# Altium PCB BRD_XC95144XL.PcbDoc (part 1 of 2)
Units mm, origin at the board's own origin, x right, y up, seen from the top; angles counter-clockwise.
Board outline 148 x 69 mm, 2 copper layers (Top Layer, Bottom Layer); 248 components, 199 nets, 775 pads, 46 vias.
Unrouted connection lines stored in the file: 221.
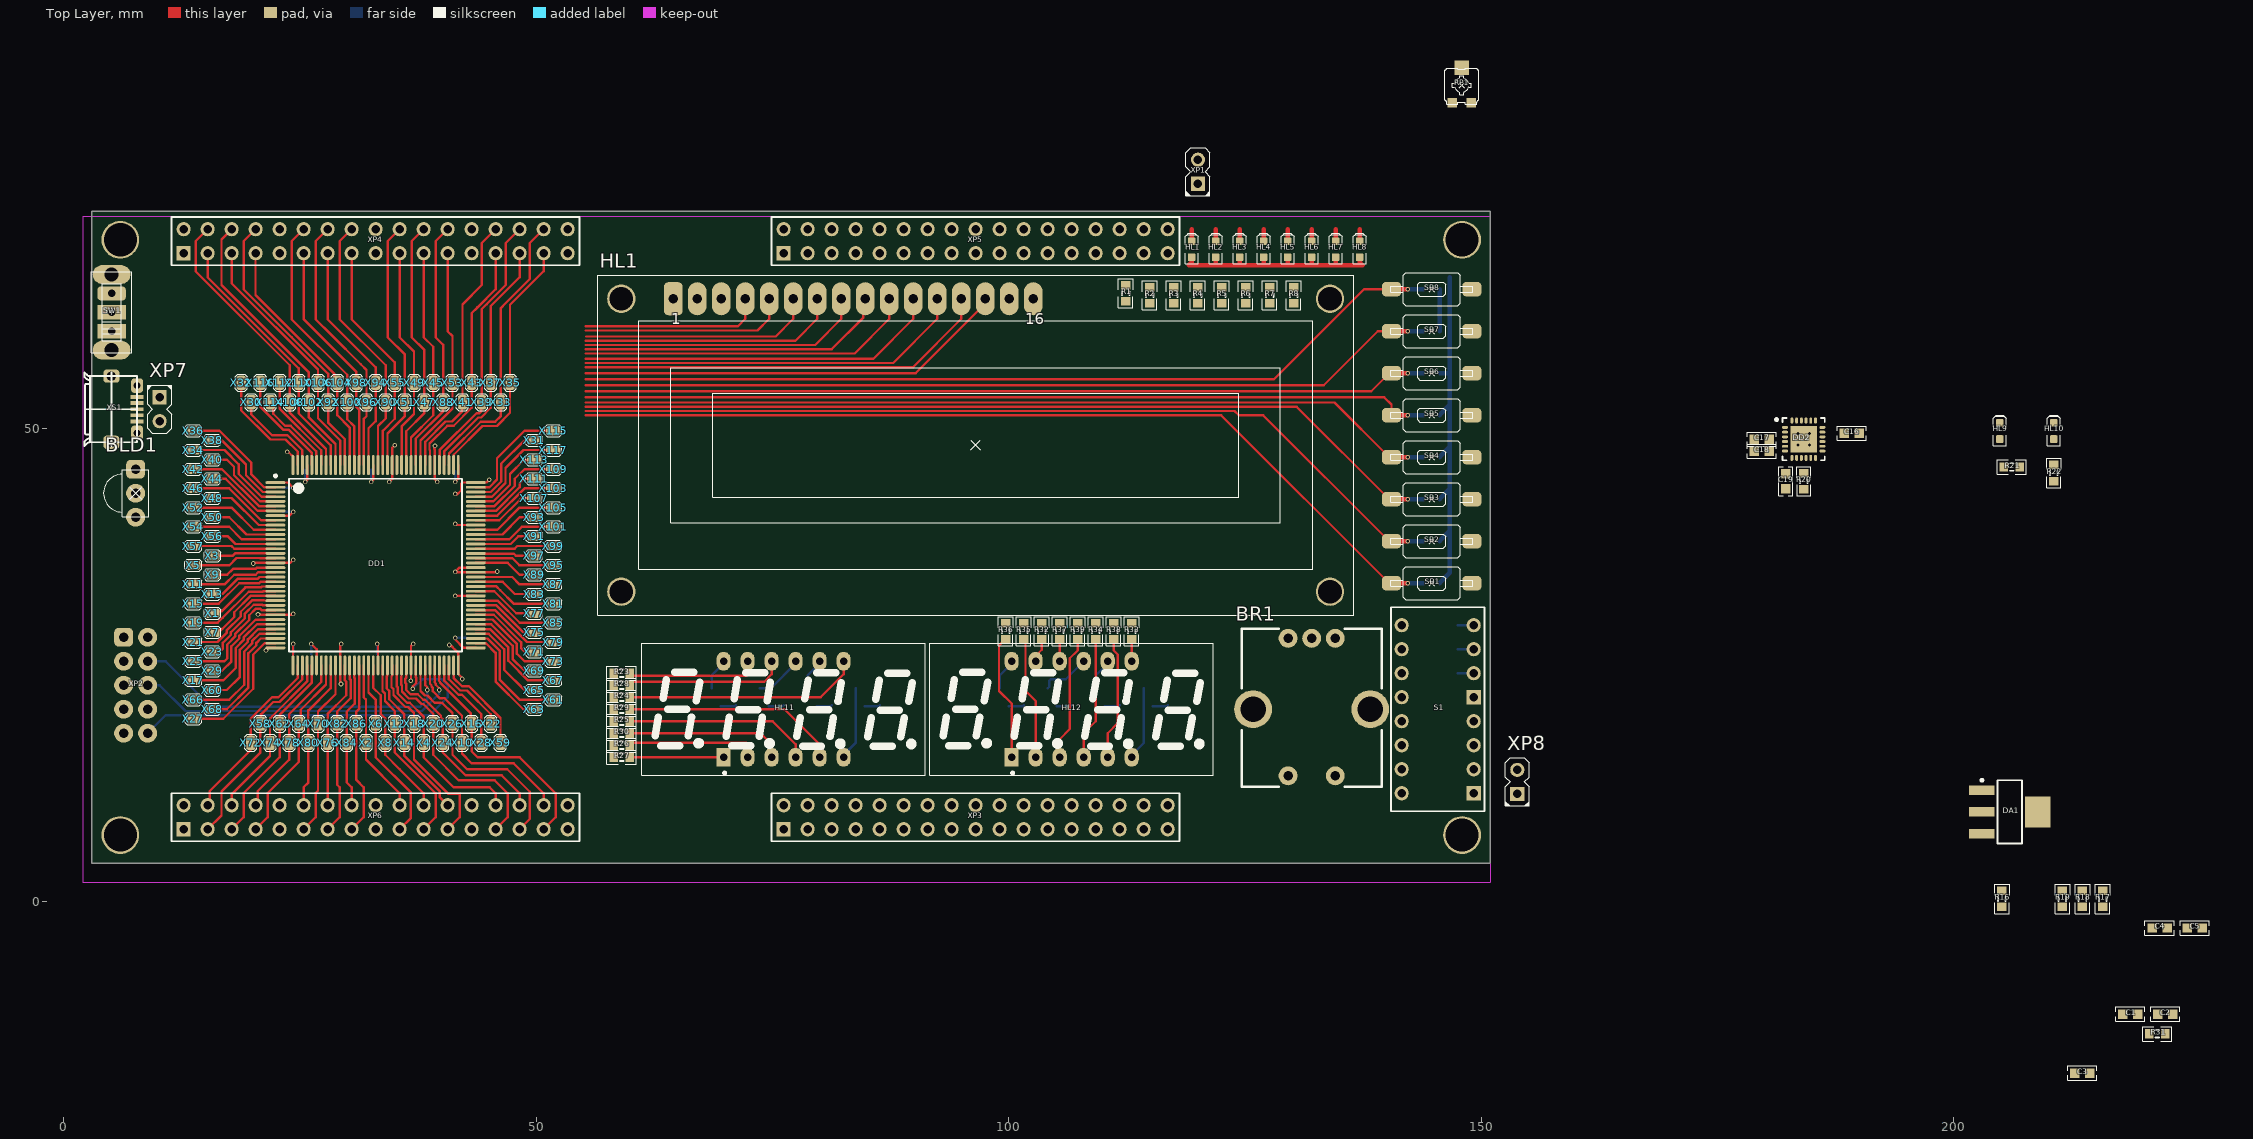
[diagram p0: Top Layer view]
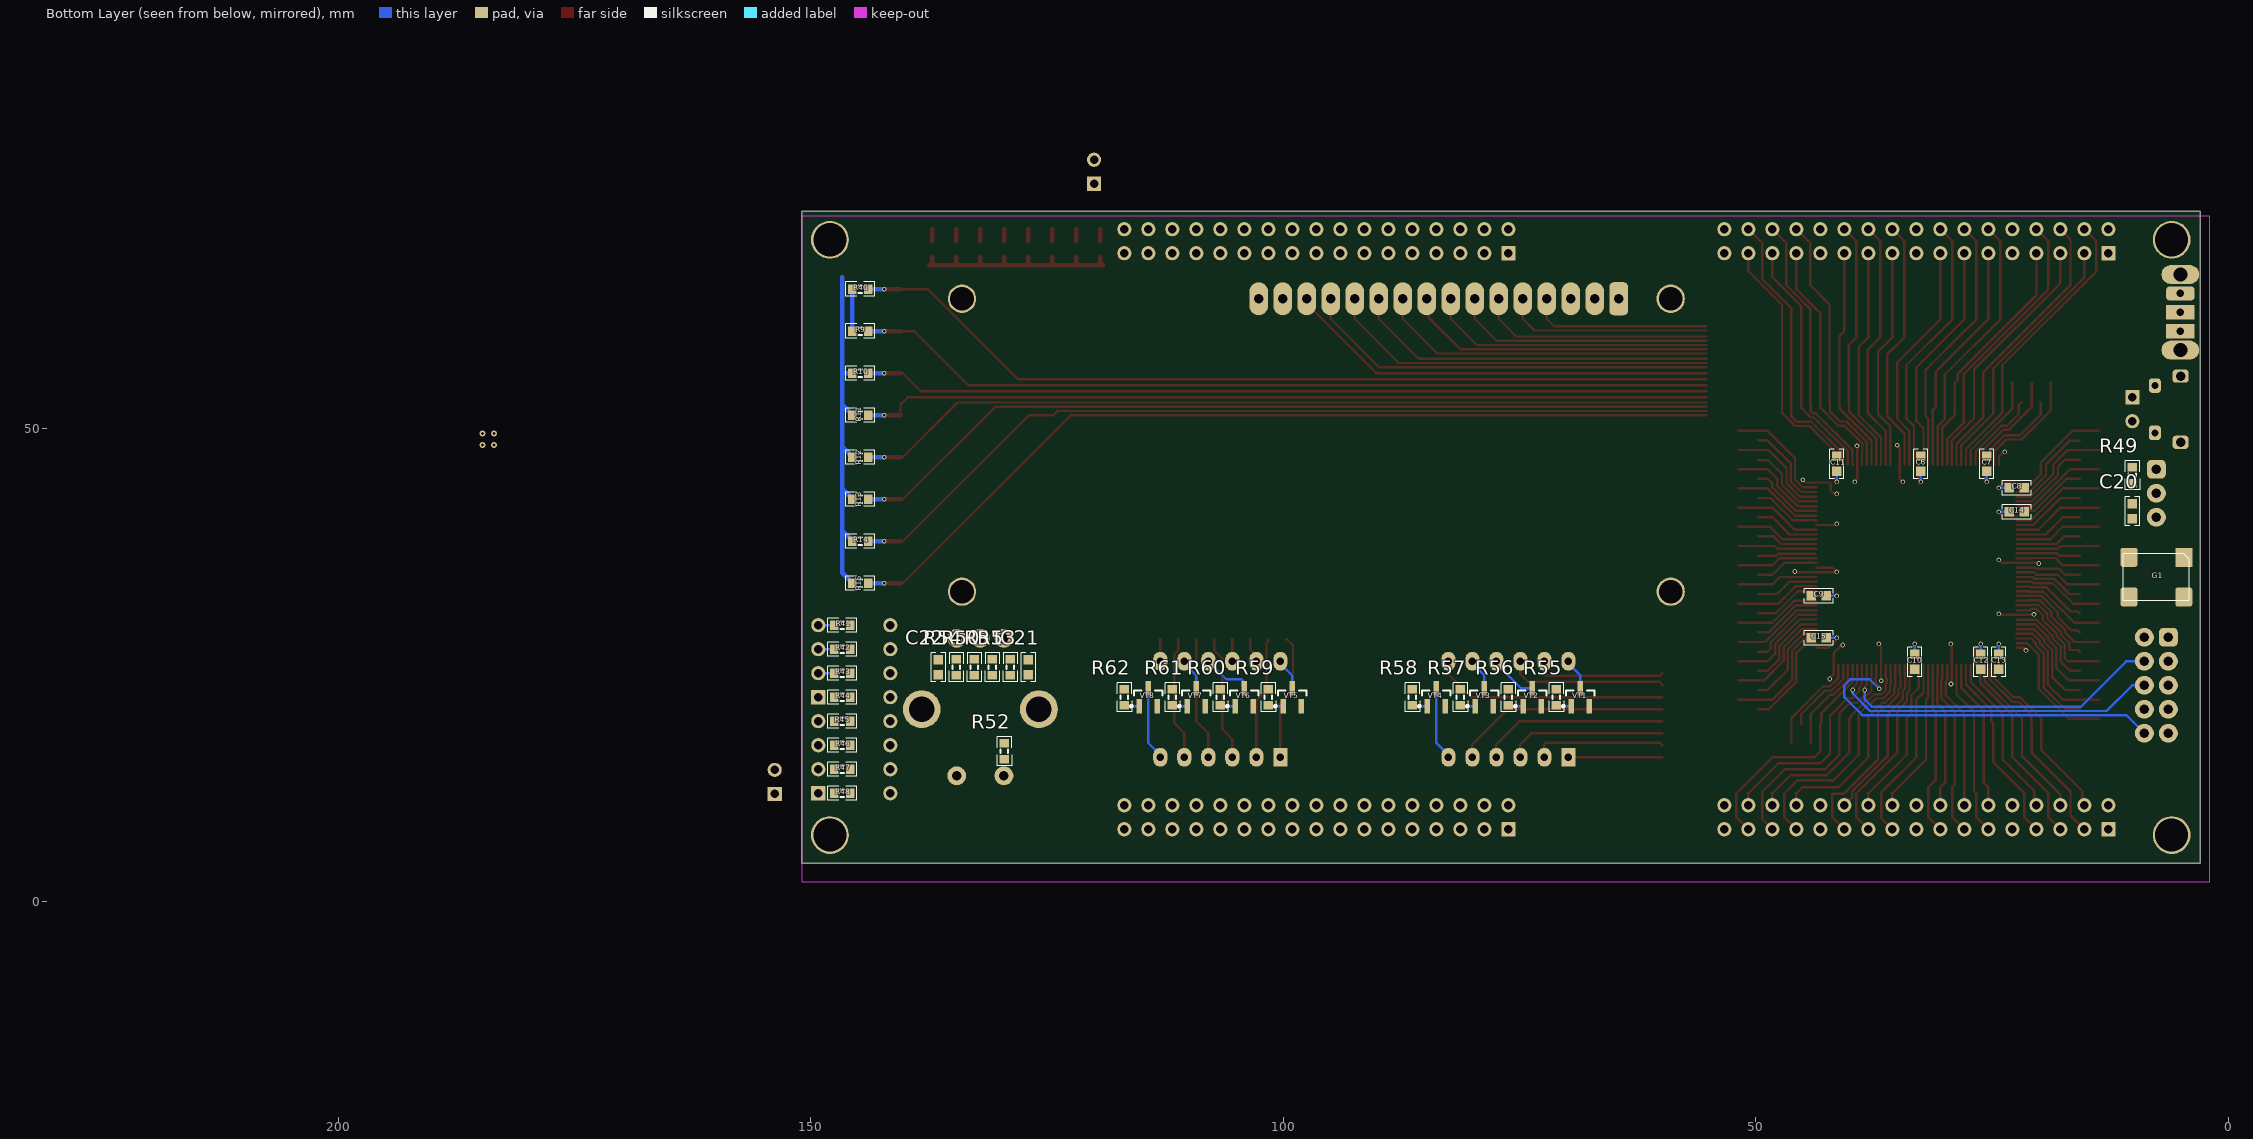
[diagram p1: Bottom Layer view, seen from below]

## Layer stack, top to bottom
Top Solder: solder mask 0.0102, Solder Resist, Dk 3.5
Top Layer: signal copper 0.0356
Dielectric 1: dielectric 0.32, FR-4, Dk 4.8
Bottom Layer: signal copper 0.0356
Bottom Solder: solder mask 0.0102, Solder Resist, Dk 3.5

## Board outline
3,4 151,4 151,73 3,73

## Design rules (kind name [scope] priority, off if disabled: settings)
Clearance [All] p1: gap=0.2 ignorepadtopadclearanceinfootprint=TRUE except(0: Arc-Hole Track-Hole SMDPad-Hole THPad-Hole Via-Hole Fill-Hole Poly-Hole Region-Hole Text-Hole)
Height [All] p1: minheight=0 maxheight=50 prefheight=12.7
HoleToHoleClearance [All] p1: gap=0.25 allowstackedmicrovias=TRUE
MinimumSolderMaskSliver [All] p1: minsoldermaskwidth=0.25
PolygonConnect [All] p1: connectstyle=Relief reliefconductorwidth=0.254 reliefentries=4 polygonreliefangle="90 Angle" airgapwidth=0.254
RoutingVias [All] p1: holewidth=0.5 width=0.8 viastyle="Through Hole" minholewidth=0.3 minwidth=0.5 maxholewidth=1 maxwidth=1.3
SilkToSilkClearance [All] p1: silktosilkclearance=0
SolderMaskExpansion [All] p1: expansion=0.102 istentingtop=FALSE
Width [All] p1: maxlimit=1 minlimit=0.25 preferedwidth=0.5
26 further rules are at their usual default settings.

## Components (designator, comment, footprint, x,y, rotation, side; value= is the part's Value field where it differs from the comment)
BLD1 "TSOP98638" TSOP98638 7.62,43.18 r270 top
BR1 "EC11" EC11 132.08,20.32 r90 top locked
C1 "100n" CAPC1608(0603)N 218.709,-11.947 r0 top
C2 "10u" CAPC1608(0603)N 222.416,-11.947 r0 top
C3 "100n" CAPC1608(0603)N 213.619,-18.181 r0 top
C4 "10u" CAPC1608(0603)N 221.817,-2.83 r0 top
C5 "100n" CAPC1608(0603)N 225.524,-2.83 r0 top
C6 "100n" CAPC1608(0603)N 32.555,46.285 r270 bottom
C7 "100n" CAPC1608(0603)N 25.57,46.285 r270 bottom
C8 "100n" CAPC1608(0603)N 22.395,43.745 r0 bottom
C9 "100n" CAPC1608(0603)N 43.35,32.315 r180 bottom
C10 "100n" CAPC1608(0603)N 33.19,25.33 r90 bottom
C11 "100n" CAPC1608(0603)N 41.445,46.285 r270 bottom
C12 "100n" CAPC1608(0603)N 26.205,25.33 r90 bottom
C13 "100n" CAPC1608(0603)N 24.3,25.33 r90 bottom
C14 "100n" CAPC1608(0603)N 22.395,41.205 r0 bottom
C15 "100n" CAPC1608(0603)N 43.35,27.87 r180 bottom
C16 "4.7u" CAPC1608(0603)N 189.23,49.53 r180 top
C17 "4.7u" CAPC1608(0603)N 179.705,48.895 r0 top
C18 "100n" CAPC1608(0603)N 179.705,47.625 r0 top
C19 "4.7u" CAPC1608(0603)N 182.245,44.45 r90 top
C20 "100n" CAPC1608(0603)N 10.16,41.275 r270 bottom
C21 "100n" CAPC1608(0603)N 127,24.765 r270 bottom
C22 "100n" CAPC1608(0603)N 136.525,24.765 r270 bottom
DA1 "LD1117S33T" SOT223_M 205.96,9.453 r0 top
DD1 "XC95144XL-10TQ144C" TQ144_M 33.02,35.56 r0 top locked
DD2 "CP2110-F01-GM" QFN24_L 184.15,48.895 r0 top
G1 "SG-8018CA 50.0000M-TJHPA3" SG-8018CA 7.62,34.29 r0 bottom
HL1 "NHD-0216K1Z-NSB-FBW-L" NHD-0216K1Z-NSB-FBW-L 96.52,48.26 r0 top
HL1 "LED_Green" LED-0603-GREEN 119.38,69 r90 top
HL2 "LED_Green" LED-0603-GREEN 121.92,69 r90 top
HL3 "LED_Green" LED-0603-GREEN 124.46,69 r90 top
HL4 "LED_Green" LED-0603-GREEN 127,69 r90 top
HL5 "LED_Green" LED-0603-GREEN 129.54,69 r90 top
HL6 "LED_Green" LED-0603-GREEN 132.08,69 r90 top
HL7 "LED_Green" LED-0603-GREEN 134.62,69 r90 top
HL8 "LED_Green" LED-0603-GREEN 137.16,69 r90 top
HL9 "LED_Green" LED-0603-GREEN 204.894,49.764 r90 top
HL10 "LED_Green" LED-0603-GREEN 210.609,49.764 r90 top
HL11 "GNQ-3641AS" GNQ-3641AS 76.2,20.32 r0 top locked
HL12 "GNQ-3641AS" GNQ-3641AS 106.68,20.32 r0 top locked
R1 "520" RESC1608(0603)N 112.395,64.35 r90 top
R2 "520" RESC1608(0603)N 114.935,64.135 r90 top
R3 "520" RESC1608(0603)N 117.475,64.135 r90 top
R4 "520" RESC1608(0603)N 120.015,64.135 r90 top
R5 "520" RESC1608(0603)N 122.555,64.135 r90 top
R6 "520" RESC1608(0603)N 125.095,64.135 r90 top
R7 "520" RESC1608(0603)N 127.635,64.135 r90 top
R8 "520" RESC1608(0603)N 130.175,64.135 r90 top
R9 "10k" RESC1608(0603)N 144.78,60.325 r180 bottom
R10 "10k" RESC1608(0603)N 144.78,55.88 r180 bottom
R11 "10k" RESC1608(0603)N 144.78,51.435 r180 bottom
R12 "10k" RESC1608(0603)N 144.78,46.99 r180 bottom
R13 "10k" RESC1608(0603)N 144.78,42.545 r180 bottom
R14 "10k" RESC1608(0603)N 144.78,38.1 r180 bottom
R15 "10k" RESC1608(0603)N 144.78,33.655 r180 bottom
R16 "10k" RESC1608(0603)N 205.122,0.242 r90 top
R17 "10k" RESC1608(0603)N 215.782,0.242 r90 top
R18 "10k" RESC1608(0603)N 213.65,0.242 r90 top
R19 "10k" RESC1608(0603)N 211.518,0.242 r90 top
R20 "10k" RESC1608(0603)N 184.15,44.45 r270 top
R21 "520" RESC1608(0603)N 206.164,45.954 r0 top
R22 "520" RESC1608(0603)N 210.609,45.319 r90 top
R23 "520" RESC1608(0603)N 59.055,24.13 r180 top
R24 "520" RESC1608(0603)N 59.055,21.59 r180 top
R25 "520" RESC1608(0603)N 59.055,19.05 r180 top
R26 "520" RESC1608(0603)N 59.055,16.51 r180 top
R27 "520" RESC1608(0603)N 59.055,15.24 r180 top
R28 "520" RESC1608(0603)N 59.055,22.86 r180 top
R29 "520" RESC1608(0603)N 59.055,20.32 r180 top
R30 "520" RESC1608(0603)N 59.055,17.78 r180 top
R31 "560" RESC1608(0603)N 221.57,-14.04 r180 top
R32 "520" RESC1608(0603)N 103.505,28.575 r90 top
R33 "520" RESC1608(0603)N 113.03,28.575 r90 top
R34 "520" RESC1608(0603)N 109.22,28.575 r90 top
R35 "520" RESC1608(0603)N 101.6,28.575 r90 top
R36 "520" RESC1608(0603)N 99.695,28.575 r90 top
R37 "520" RESC1608(0603)N 105.41,28.575 r90 top
R38 "520" RESC1608(0603)N 111.125,28.575 r90 top
R39 "520" RESC1608(0603)N 107.315,28.575 r90 top
R40 "10k" RESC1608(0603)N 144.78,64.77 r180 bottom
R41 "10k" RESC1608(0603)N 146.685,29.21 r0 bottom
R42 "10k" RESC1608(0603)N 146.685,26.67 r0 bottom
R43 "10k" RESC1608(0603)N 146.685,24.13 r0 bottom
R44 "10k" RESC1608(0603)N 146.685,21.59 r0 bottom
R45 "10k" RESC1608(0603)N 146.685,19.05 r0 bottom
R46 "10k" RESC1608(0603)N 146.685,16.51 r0 bottom
R47 "10k" RESC1608(0603)N 146.685,13.97 r0 bottom
R48 "10k" RESC1608(0603)N 146.685,11.43 r0 bottom
R49 "520" RESC1608(0603)N 10.16,45.085 r270 bottom
R50 "10k" RESC1608(0603)N 132.715,24.765 r90 bottom
R51 "10k" RESC1608(0603)N 130.81,24.765 r90 bottom
R52 "10k" RESC1608(0603)N 129.54,15.875 r270 bottom
R53 "10k" RESC1608(0603)N 128.905,24.765 r90 bottom
R54 "10k" RESC1608(0603)N 134.62,24.765 r90 bottom
R55 "10k" RESC1608(0603)N 71.12,21.59 r270 bottom
R56 "10k" RESC1608(0603)N 76.2,21.59 r270 bottom
R57 "10k" RESC1608(0603)N 81.28,21.59 r270 bottom
R58 "10k" RESC1608(0603)N 86.36,21.59 r270 bottom
R59 "10k" RESC1608(0603)N 101.6,21.59 r270 bottom
R60 "10k" RESC1608(0603)N 106.68,21.59 r270 bottom
R61 "10k" RESC1608(0603)N 111.76,21.59 r270 bottom
R62 "10k" RESC1608(0603)N 116.84,21.59 r270 bottom
RP1 "TC-33X-2 10k" TC-33X-2 147.955,86.36 r0 top
S1 "SW DIP-8" DS01C-254-S-08BE 149.225,11.43 r90 top
SB1 "PTS636 SM43 SMTR LFS" "PTS636 SM43 SMTR LFS" 144.78,33.655 r0 top
SB2 "PTS636 SM43 SMTR LFS" "PTS636 SM43 SMTR LFS" 144.78,38.1 r0 top
SB3 "PTS636 SM43 SMTR LFS" "PTS636 SM43 SMTR LFS" 144.78,42.545 r0 top
SB4 "PTS636 SM43 SMTR LFS" "PTS636 SM43 SMTR LFS" 144.78,46.99 r0 top
SB5 "PTS636 SM43 SMTR LFS" "PTS636 SM43 SMTR LFS" 144.78,51.435 r0 top
SB6 "PTS636 SM43 SMTR LFS" "PTS636 SM43 SMTR LFS" 144.78,55.88 r0 top
SB7 "PTS636 SM43 SMTR LFS" "PTS636 SM43 SMTR LFS" 144.78,60.325 r0 top
SB8 "PTS636 SM43 SMTR LFS" "PTS636 SM43 SMTR LFS" 144.78,64.77 r0 top
SW1 "OS102011MS2QN1" OS102011MS2QN1 5.08,62.325 r270 top
VT1 "BC848" SOT23-3N 68.58,21.59 r90 bottom
VT2 "BC848" SOT23-3N 73.66,21.59 r90 bottom
VT3 "BC848" SOT23-3N 78.74,21.59 r90 bottom
VT4 "BC848" SOT23-3N 83.82,21.59 r90 bottom
VT5 "BC848" SOT23-3N 99.06,21.59 r90 bottom
VT6 "BC848" SOT23-3N 104.14,21.59 r90 bottom
VT7 "BC848" SOT23-3N 109.22,21.59 r90 bottom
VT8 "BC848" SOT23-3N 114.3,21.59 r90 bottom
X1 "X1-1.27-1-TOP-RR" 1.27-1-TOP-RR 15.748,30.48 r90 top
X2 "X1-1.27-1-TOP-RR" 1.27-1-TOP-RR 32.004,16.764 r0 top
X3 "X1-1.27-1-TOP-RR" 1.27-1-TOP-RR 15.748,36.576 r90 top
X4 "X1-1.27-1-TOP-RR" 1.27-1-TOP-RR 38.1,16.764 r0 top
X5 "X1-1.27-1-TOP-RR" 1.27-1-TOP-RR 13.716,35.56 r90 top
X6 "X1-1.27-1-TOP-RR" 1.27-1-TOP-RR 33.02,18.796 r0 top
X7 "X1-1.27-1-TOP-RR" 1.27-1-TOP-RR 15.748,28.448 r90 top
X8 "X1-1.27-1-TOP-RR" 1.27-1-TOP-RR 34.036,16.764 r0 top
X9 "X1-1.27-1-TOP-RR" 1.27-1-TOP-RR 15.748,34.544 r90 top
X10 "X1-1.27-1-TOP-RR" 1.27-1-TOP-RR 42.164,16.764 r0 top
X11 "X1-1.27-1-TOP-RR" 1.27-1-TOP-RR 13.716,33.528 r90 top
X12 "X1-1.27-1-TOP-RR" 1.27-1-TOP-RR 35.052,18.796 r180 top
X13 "X1-1.27-1-TOP-RR" 1.27-1-TOP-RR 15.748,32.512 r90 top
X14 "X1-1.27-1-TOP-RR" 1.27-1-TOP-RR 36.068,16.764 r0 top
X15 "X1-1.27-1-TOP-RR" 1.27-1-TOP-RR 13.716,31.496 r90 top
X16 "X1-1.27-1-TOP-RR" 1.27-1-TOP-RR 43.18,18.796 r0 top
X17 "X1-1.27-1-TOP-RR" 1.27-1-TOP-RR 13.716,23.368 r90 top
X18 "X1-1.27-1-TOP-RR" 1.27-1-TOP-RR 37.084,18.796 r0 top
X19 "X1-1.27-1-TOP-RR" 1.27-1-TOP-RR 13.716,29.464 r90 top
X20 "X1-1.27-1-TOP-RR" 1.27-1-TOP-RR 39.116,18.796 r180 top
X21 "X1-1.27-1-TOP-RR" 1.27-1-TOP-RR 13.716,27.432 r90 top
X22 "X1-1.27-1-TOP-RR" 1.27-1-TOP-RR 45.212,18.796 r180 top
X23 "X1-1.27-1-TOP-RR" 1.27-1-TOP-RR 15.748,26.416 r90 top
X24 "X1-1.27-1-TOP-RR" 1.27-1-TOP-RR 40.132,16.764 r180 top
X25 "X1-1.27-1-TOP-RR" 1.27-1-TOP-RR 13.716,25.4 r90 top
X26 "X1-1.27-1-TOP-RR" 1.27-1-TOP-RR 41.148,18.796 r180 top
X27 "X1-1.27-1-TOP-RR" 1.27-1-TOP-RR 13.716,19.304 r90 top
X28 "X1-1.27-1-TOP-RR" 1.27-1-TOP-RR 44.196,16.764 r180 top
X29 "X1-1.27-1-TOP-RR" 1.27-1-TOP-RR 15.748,24.384 r90 top
X30 "X1-1.27-1-TOP-RR" 1.27-1-TOP-RR 19.859,52.809 r180 top
X31 "X1-1.27-1-TOP-RR" 1.27-1-TOP-RR 49.784,48.768 r90 top
X32 "X1-1.27-1-TOP-RR" 1.27-1-TOP-RR 18.796,54.864 r180 top
X33 "X1-1.27-1-TOP-RR" 1.27-1-TOP-RR 46.275,52.809 r180 top
X34 "X1-1.27-1-TOP-RR" 1.27-1-TOP-RR 13.716,47.752 r90 top
X35 "X1-1.27-1-TOP-RR" 1.27-1-TOP-RR 47.244,54.864 r180 top
X36 "X1-1.27-1-TOP-RR" 1.27-1-TOP-RR 13.716,49.784 r90 top
X37 "X1-1.27-1-TOP-RR" 1.27-1-TOP-RR 45.212,54.864 r180 top
X38 "X1-1.27-1-TOP-RR" 1.27-1-TOP-RR 15.748,48.768 r90 top
X39 "X1-1.27-1-TOP-RR" 1.27-1-TOP-RR 44.243,52.809 r180 top
X40 "X1-1.27-1-TOP-RR" 1.27-1-TOP-RR 15.748,46.736 r90 top
X41 "X1-1.27-1-TOP-RR" 1.27-1-TOP-RR 42.211,52.809 r0 top
X42 "X1-1.27-1-TOP-RR" 1.27-1-TOP-RR 13.716,45.72 r90 top
X43 "X1-1.27-1-TOP-RR" 1.27-1-TOP-RR 43.18,54.864 r180 top
X44 "X1-1.27-1-TOP-RR" 1.27-1-TOP-RR 15.748,44.704 r90 top
X45 "X1-1.27-1-TOP-RR" 1.27-1-TOP-RR 39.116,54.864 r180 top
X46 "X1-1.27-1-TOP-RR" 1.27-1-TOP-RR 13.716,43.688 r90 top
X47 "X1-1.27-1-TOP-RR" 1.27-1-TOP-RR 38.147,52.809 r180 top
X48 "X1-1.27-1-TOP-RR" 1.27-1-TOP-RR 15.748,42.672 r90 top
X49 "X1-1.27-1-TOP-RR" 1.27-1-TOP-RR 37.084,54.864 r180 top
X50 "X1-1.27-1-TOP-RR" 1.27-1-TOP-RR 15.748,40.64 r90 top
X51 "X1-1.27-1-TOP-RR" 1.27-1-TOP-RR 36.115,52.809 r180 top
X52 "X1-1.27-1-TOP-RR" 1.27-1-TOP-RR 13.716,41.656 r90 top
X53 "X1-1.27-1-TOP-RR" 1.27-1-TOP-RR 41.148,54.864 r180 top
X54 "X1-1.27-1-TOP-RR" 1.27-1-TOP-RR 13.716,39.624 r90 top
X55 "X1-1.27-1-TOP-RR" 1.27-1-TOP-RR 35.052,54.864 r180 top
X56 "X1-1.27-1-TOP-RR" 1.27-1-TOP-RR 15.748,38.608 r90 top
X57 "X1-1.27-1-TOP-RR" 1.27-1-TOP-RR 13.716,37.592 r90 top
X58 "X1-1.27-1-TOP-RR" 1.27-1-TOP-RR 20.828,18.796 r180 top
X59 "X1-1.27-1-TOP-RR" 1.27-1-TOP-RR 46.228,16.764 r180 top
X60 "X1-1.27-1-TOP-RR" 1.27-1-TOP-RR 15.748,22.352 r90 top
X61 "X1-1.27-1-TOP-RR" 1.27-1-TOP-RR 51.816,21.336 r90 top
X62 "X1-1.27-1-TOP-RR" 1.27-1-TOP-RR 22.86,18.796 r180 top
X63 "X1-1.27-1-TOP-RR" 1.27-1-TOP-RR 49.784,20.32 r90 top
X64 "X1-1.27-1-TOP-RR" 1.27-1-TOP-RR 24.892,18.796 r180 top
X65 "X1-1.27-1-TOP-RR" 1.27-1-TOP-RR 49.784,22.352 r90 top
X66 "X1-1.27-1-TOP-RR" 1.27-1-TOP-RR 13.716,21.336 r90 top
X67 "X1-1.27-1-TOP-RR" 1.27-1-TOP-RR 51.816,23.368 r90 top
X68 "X1-1.27-1-TOP-RR" 1.27-1-TOP-RR 15.748,20.32 r90 top
X69 "X1-1.27-1-TOP-RR" 1.27-1-TOP-RR 49.784,24.384 r90 top
X70 "X1-1.27-1-TOP-RR" 1.27-1-TOP-RR 26.924,18.796 r180 top
X71 "X1-1.27-1-TOP-RR" 1.27-1-TOP-RR 49.784,26.416 r90 top
X72 "X1-1.27-1-TOP-RR" 1.27-1-TOP-RR 19.812,16.764 r180 top
X73 "X1-1.27-1-TOP-RR" 1.27-1-TOP-RR 51.816,25.4 r90 top
X74 "X1-1.27-1-TOP-RR" 1.27-1-TOP-RR 21.844,16.76 r180 top
X75 "X1-1.27-1-TOP-RR" 1.27-1-TOP-RR 49.784,28.448 r270 top
X76 "X1-1.27-1-TOP-RR" 1.27-1-TOP-RR 27.94,16.764 r180 top
X77 "X1-1.27-1-TOP-RR" 1.27-1-TOP-RR 49.784,30.48 r90 top
X78 "X1-1.27-1-TOP-RR" 1.27-1-TOP-RR 23.876,16.764 r180 top
X79 "X1-1.27-1-TOP-RR" 1.27-1-TOP-RR 51.816,27.432 r90 top
X80 "X1-1.27-1-TOP-RR" 1.27-1-TOP-RR 25.908,16.764 r180 top
X81 "X1-1.27-1-TOP-RR" 1.27-1-TOP-RR 51.816,31.496 r90 top
X82 "X1-1.27-1-TOP-RR" 1.27-1-TOP-RR 28.956,18.796 r180 top
X83 "X1-1.27-1-TOP-RR" 1.27-1-TOP-RR 49.784,32.512 r90 top
X84 "X1-1.27-1-TOP-RR" 1.27-1-TOP-RR 29.972,16.764 r180 top
X85 "X1-1.27-1-TOP-RR" 1.27-1-TOP-RR 51.816,29.464 r270 top
X86 "X1-1.27-1-TOP-RR" 1.27-1-TOP-RR 30.988,18.796 r180 top
X87 "X1-1.27-1-TOP-RR" 1.27-1-TOP-RR 51.816,33.528 r90 top
X88 "X1-1.27-1-TOP-RR" 1.27-1-TOP-RR 40.179,52.809 r180 top
X89 "X1-1.27-1-TOP-RR" 1.27-1-TOP-RR 49.784,34.544 r90 top
X90 "X1-1.27-1-TOP-RR" 1.27-1-TOP-RR 34.083,52.809 r180 top
X91 "X1-1.27-1-TOP-RR" 1.27-1-TOP-RR 49.784,38.608 r90 top
X92 "X1-1.27-1-TOP-RR" 1.27-1-TOP-RR 27.987,52.809 r180 top
X93 "X1-1.27-1-TOP-RR" 1.27-1-TOP-RR 49.784,40.64 r90 top
X94 "X1-1.27-1-TOP-RR" 1.27-1-TOP-RR 33.02,54.864 r180 top
X95 "X1-1.27-1-TOP-RR" 1.27-1-TOP-RR 51.816,35.56 r90 top
X96 "X1-1.27-1-TOP-RR" 1.27-1-TOP-RR 32.051,52.809 r180 top
X97 "X1-1.27-1-TOP-RR" 1.27-1-TOP-RR 49.784,36.576 r90 top
X98 "X1-1.27-1-TOP-RR" 1.27-1-TOP-RR 30.988,54.864 r180 top
X99 "X1-1.27-1-TOP-RR" 1.27-1-TOP-RR 51.816,37.592 r90 top
X100 "X1-1.27-1-TOP-RR" 1.27-1-TOP-RR 30.019,52.809 r180 top